# KiCad board Primero_esquematico.kicad_pcb (continued)
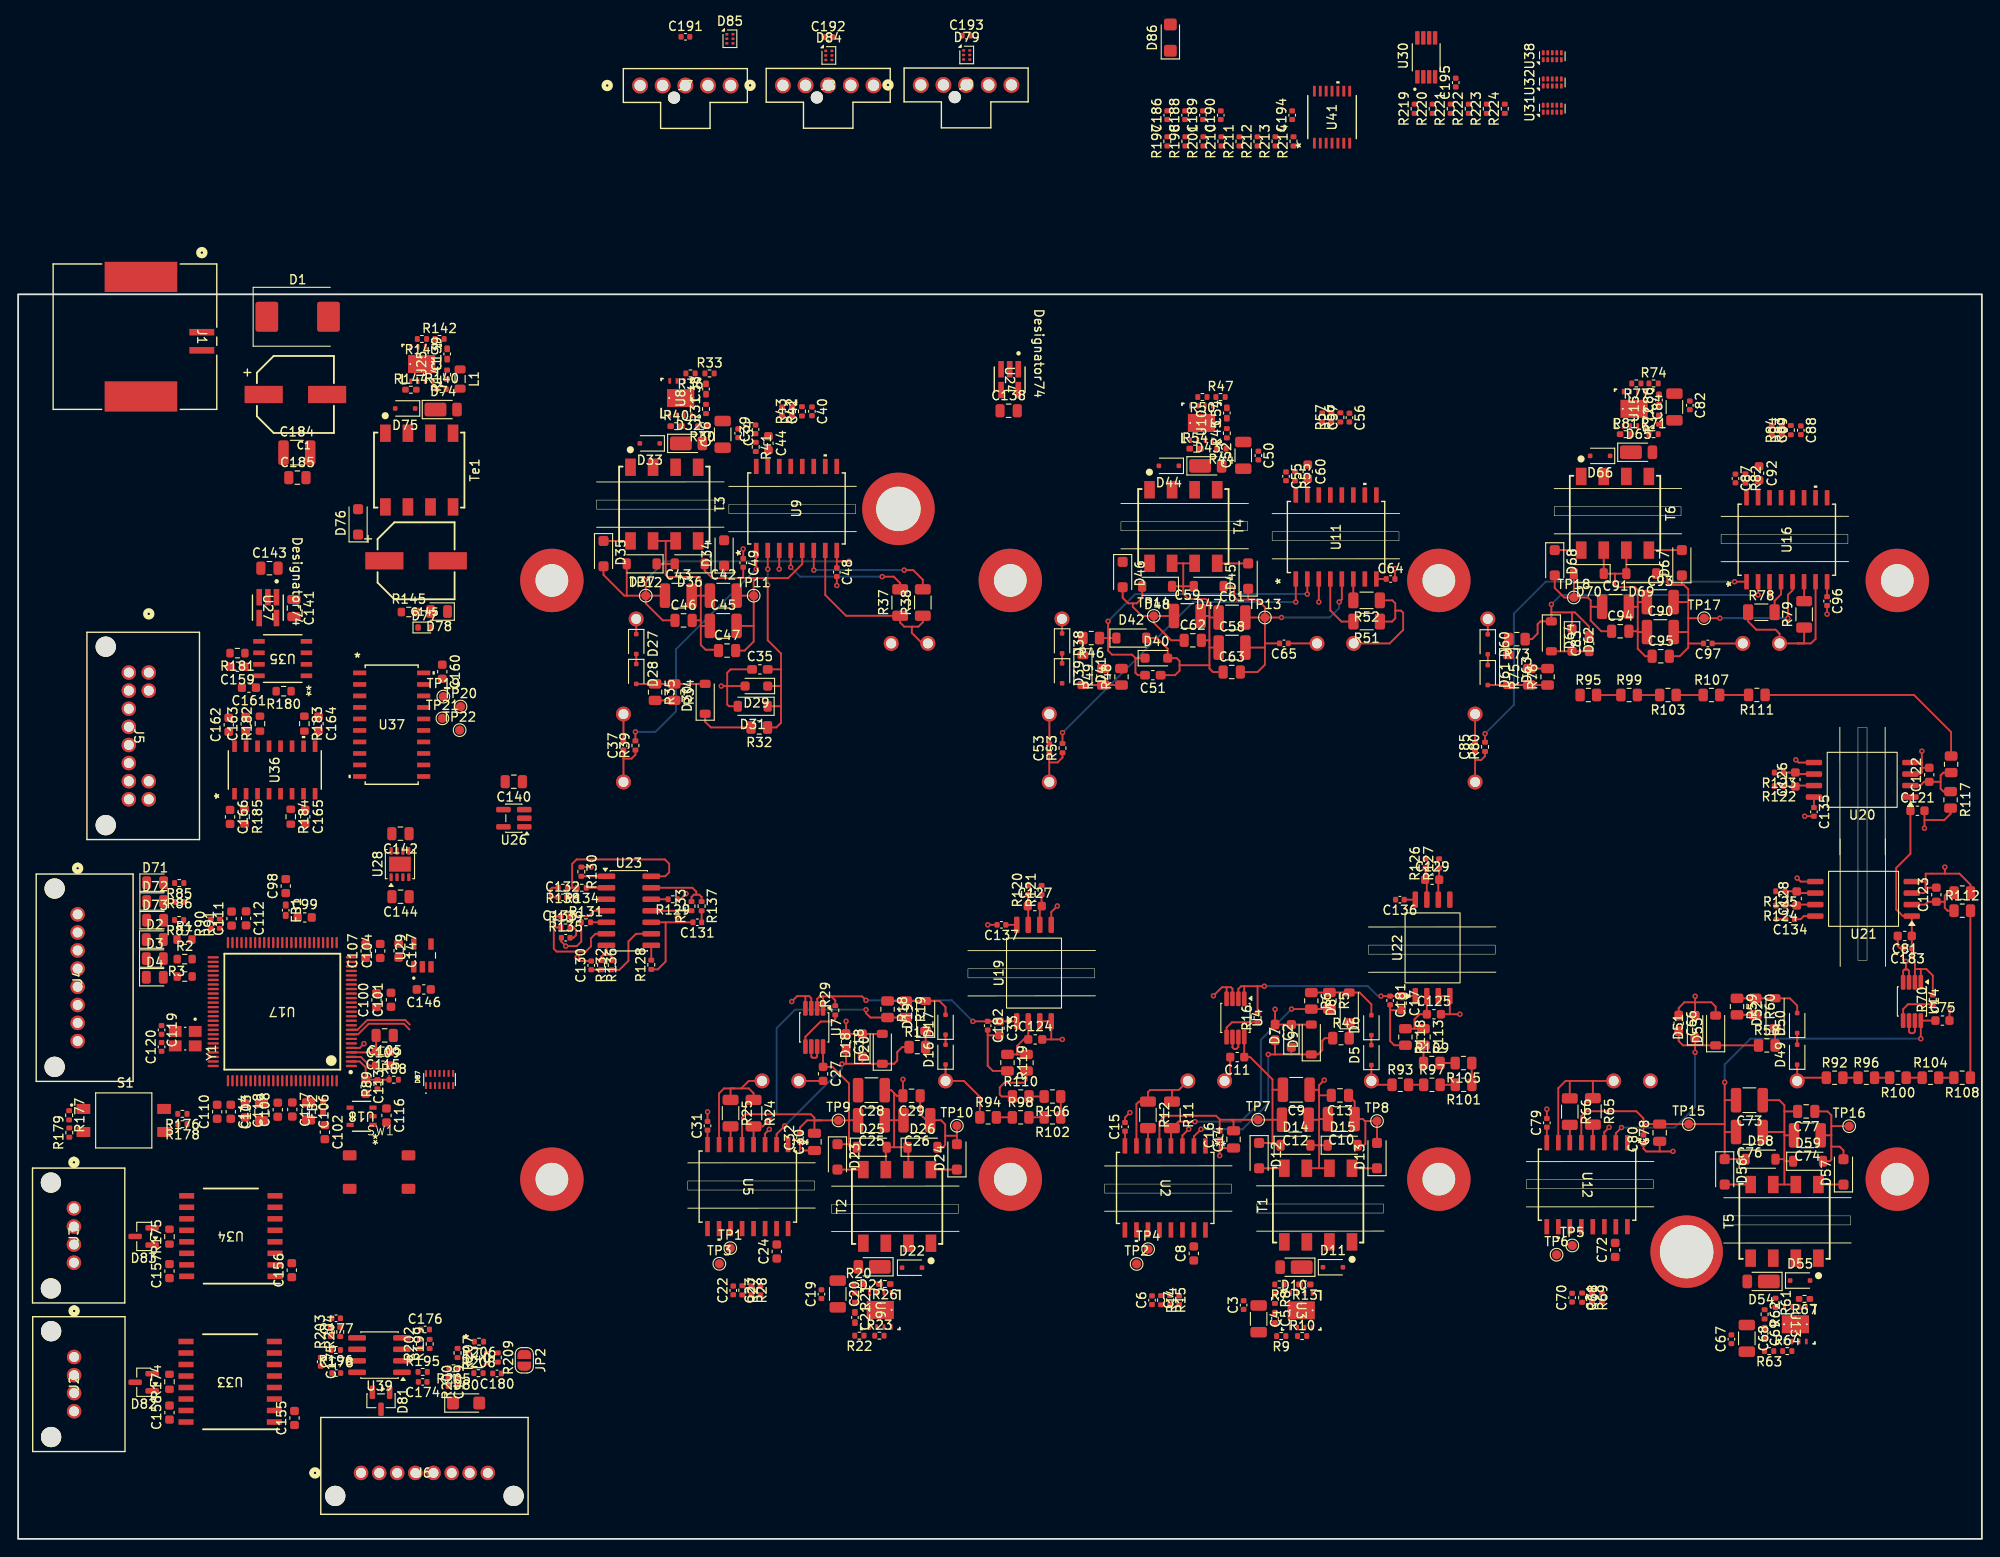
[diagram p0: board, top side]
## Routing (per net, layer and track width the routed paths; a pad name or vN(x,y) marks a point on that pad's centre or on a via; arc(x,y) is an arc through that point) (continued)
  Bottom w0.2: v1(145.82,103.43) 145.82,102.76 144.78,101.72 v1(139.45,101.72)
/pcb_potencia/Gate_Driver/GD_HS_2/-8V: length 16.4
  Top w0.2: D48.2 124.07,103.88 123.47,103.28 123.04,103.28 ; 123.04,103.28 122.54,103.28 121.92,103.9 D46.2 ; 123.04,103.28 123.04,102.89 124.04,101.89 TP14.1 ; TP14.1 127.58,101.89 ; TP14.1 125.35,101.14 127.29,99.2 C62.1 ; C64.1 U11.8
/pcb_potencia/Gate_Driver/GD_HS_3/+15V: length 29.8
  Top w0.2: TP11.1 81.19,106.07 81.2,106.07 ; TP11.1 79.31,104.13 ; TP11.1 81.19,100.79 ; 81.2,106.07 80.04,106.07 ; 81.2,106.07 85,106.07 86.55,107.63 U9.5 ; 81.19,100.79 C45.2 79.31,100.8 ; 81.19,100.79 81.19,99.07 80.2,98.07 C47.2 ; C49.2 80.04,106.07 ; 80.04,106.07 77.93,106.07 ; 77.93,106.07 76.62,106.07 75.78,106.91 D36.1 ; 77.93,106.07 D34.1
/pcb_potencia/Gate_Driver/GD_HS_3/-8V: length 45.3
  Top w0.2: D35.2 64.62,106.42 66.91,104.13 67.18,104.13 ; C48.1 90.36,107.21 90.36,107.92 ; 90.36,107.92 v1(91.71,107.92) ; 90.36,107.92 U9.8 ; D37.2 67.18,104.13 ; 67.18,104.13 TP12.1 ; TP12.1 v1(69.28,105.83) ; TP12.1 C43.1 ; TP12.1 69.28,103.28 71.16,101.4 C46.1
  Bottom w0.2: v1(69.28,105.83) 71.37,107.92 v1(91.71,107.92)
/pcb_potencia/Gate_Driver/GD_LS_1/+15V: length 62.9
  Top w0.2: 179.4,45.82 179.43,45.79 C78.2 TP15.1 188.37,45.79 ; 179.4,45.82 179.4,46.43 178.62,47.21 173.09,47.21 172.54,46.67 172.54,43.74 ; 179.4,45.82 C80.2 ; C73.2 188.37,48.43 ; 188.37,48.43 188.37,45.79 ; 188.37,48.43 v1(188.37,50.4) ; v1(210.02,55.22) 210.01,55.23 U14.8 210.01,57.22 C75.1 ; D58.1 D56.1 188.37,44.92 ; 188.37,44.92 188.37,45.79 ; 188.37,44.92 C76.2
  Bottom w0.2: v1(210.02,55.22) 191.21,55.22 188.37,52.38 v1(188.37,50.4)
/pcb_potencia/Gate_Driver/GD_LS_1/-8V: length 15.3
  Top w0.2: C77.1 199.72,47.19 200.14,46.77 200.14,45.56 ; U12.8 168.73,45.45 C79.1 ; 200.14,43.33 200.14,44.56 ; 200.14,43.33 200.14,41.86 199.97,41.69 D59.2 ; 200.14,43.33 200.17,43.3 201.07,43.3 201.48,42.89 D57.2 ; 200.14,44.56 200.13,44.55 C74.1 ; 200.14,44.56 200.14,45.56 ; TP16.1 200.14,45.56
/pcb_potencia/Gate_Driver/GD_LS_2/+15V: length 36.4
  Top w0.2: 138.46,46.27 138.46,49.58 ; 138.46,46.27 C12.2 ; 138.46,46.27 138.46,43.68 ; 138.46,46.27 TP7.1 133.9,46.27 ; 138.46,49.58 138.46,50.72 135.99,53.19 C11.1 U4.8 ; 138.46,49.58 C9.2 ; D14.1 138.68,43.46 138.46,43.68 ; C16.2 132.63,46.31 ; 132.63,46.31 132.67,46.27 133.9,46.27 ; 132.63,46.31 132.23,46.71 126.62,46.71 125.98,46.07 U2.5 ; 138.46,43.68 138.43,43.71 D12.1 ; 133.9,46.27 134.16,46.27 C14.2
/pcb_potencia/Gate_Driver/GD_LS_2/-8V: length 13
  Top w0.2: U2.8 122.18,43.39 C15.1 ; D13.2 149.99,46.13 TP8.1 148.65,46.13 ; 148.65,46.13 148.44,46.34 C10.1 147.52,48.29 C13.1 ; 148.65,46.13 148.71,46.07 148.71,43.61 148.55,43.46 D15.2
/pcb_potencia/Gate_Driver/GD_LS_3/+15V: length 36.1
  Top w0.2: C25.2 91.73,46.22 91.72,46.2 ; 86.31,44.78 C32.2 86.3,45.41 87.09,46.2 88.66,46.2 ; 91.72,43.57 91.72,46.2 ; 91.72,43.57 91.72,43.41 91.89,43.24 D25.1 ; 91.72,43.57 D23.1 ; 87.9,46.2 C30.2 ; 87.9,46.2 88.66,46.2 ; 87.9,46.2 87.9,46.48 87.51,46.87 80.27,46.87 79.91,46.51 U5.5 ; 91.72,46.2 91.72,50.28 89.89,52.11 C27.1 ; 91.72,46.2 TP9.1 88.66,46.2 ; U7.8 88.85,52.12
/pcb_potencia/Gate_Driver/GD_LS_3/-8V: length 13.4
  Top w0.2: 103.62,44.5 102.33,44.5 ; 103.62,44.5 TP10.1 ; 103.62,44.5 103.62,43.58 D24.2 ; 102.33,44.5 102.33,43.49 102.07,43.24 D26.2 ; 102.33,44.5 102.33,45.76 101.87,46.22 C26.1 100.24,46.22 99.57,46.89 C29.1 ; C31.1 U5.8
/pcb_potencia/Gate_Driver/VCC_DC: length 5
  Top w0.2: U1.C5 68.23,101.55 D27.1 ; D38.1 115.23,101.55 U1.C3 ; D60.1 U1.C1
GND: length 33
  Top w0.2: v1(196.22,86.01) 196.52,85.71 U20.5 ; v1(73.72,71.23) 73.1,70.61 R129.1 ; R131.1 62.16,65.93 61.67,65.44 v1(60.45,65.44) 59.96,65.93 C133.2 ; v1(196.37,72.95) 196.75,72.57 U21.5 ; R128.1 70.61,62.87 71.47,63.73 71.47,68.07 ; R130.1 v1(63.25,74.17) ; C132.2 v1(61.66,70.82) ; U19.5 114.04,69.2 v1(114.71,69.87) ; 71.47,68.07 U23.10 ; 71.47,68.07 72.77,68.07 ; 72.77,68.07 v1(72.77,68.63) ; 72.77,68.07 C131.2 ; C130.2 62.1,63.79 v1(61.7,64.19) ; C134.2 v1(194.06,68.41) ; U17.5 37.71,54.2 v1(38.18,54.67) ; C137.2 v1(107.03,67.79) ; C135.2 v1(197.2,79.78)
GNDPWR_1: length 71.4
  Top w0.2: C79.2 v1(168.74,47.44) ; T5.7 194.96,39.12 ; 194.96,39.12 T5.6 ; 194.96,39.12 194.96,41.69 ; C121.2 210.42,79.36 ; 210.42,79.36 212.61,79.36 213.3,80.05 R117.2 ; 210.42,79.36 v1(210.42,78.45) ; 194.96,47.19 194.96,47.87 194.4,48.43 C73.1 ; 194.96,47.19 C77.2 ; 194.96,47.19 194.96,44.93 ; 175.08,43.74 175.08,44.91 v1(175.61,45.43) ; C81.2 207.47,65.44 207.7,65.21 C183.2 208.06,64.06 v1(208.37,63.75) 208.37,62.86 ; 210.13,85.7 210.12,85.71 U20.4 ; 210.13,85.7 210.13,85.13 ; 210.13,85.7 v1(210.13,86.96) ; C123.2 210.55,71.89 210.55,72.12 ; C76.1 194.95,44.92 194.96,44.93 ; 212.67,73.44 214.28,73.44 215.5,72.22 R116.2 ; 212.67,73.44 v1(212.67,74.16) ; 212.67,73.44 210.55,73.44 210.55,72.41 ; 210.13,85.13 210.13,84.62 209.94,84.44 U20.3 ; 210.13,85.13 C122.2 ; C78.1 181.19,42.77 ; 181.19,42.77 182.65,42.77 v1(182.66,42.78) ; 181.19,42.77 179.72,42.77 179.4,43.09 C80.1 ; 194.96,44.93 194.96,44.55 ; 185.11,59.24 v1(185.11,59.9) ; 185.11,59.24 183.92,59.24 183.29,58.61 C66.1 ; 185.11,59.24 185.1,59.23 D51.2 ; 185.11,59.24 186.9,59.24 187.37,58.77 D53.2 ; U14.3 208.71,62.72 208.57,62.86 208.37,62.86 ; 210.55,72.12 210.55,72.41 ; 210.55,72.12 210.55,71.5 210.34,71.3 U21.3 ; 194.96,41.69 194.96,41.92 ; 194.96,41.69 D59.1 ; 194.96,41.92 D58.2 ; 194.96,41.92 194.96,44.55 ; 210.55,72.41 210.55,72.57 U21.4 ; 208.37,62.86 208.21,62.86 208.06,62.72 U14.4 ; C74.2 194.96,44.55 ; C75.2 v1(213.18,58.61)
GNDPWR_2: length 52
  Top w0.2: 143.6,46.34 143.6,48.95 ; 143.6,46.34 143.6,43.46 ; 143.6,46.34 143.53,46.27 C12.1 ; 143.6,46.34 C10.2 ; 143.6,48.95 143.6,49.32 ; 143.6,48.95 143.61,48.96 C13.2 ; 143.6,43.46 143.59,43.46 142.64,43.46 ; 143.6,43.46 143.6,40.92 ; 143.6,43.46 143.6,43.46 D15.1 ; U4.3 134.04,60.74 133.88,60.9 133.4,60.9 ; C11.2 133.79,51.18 U1.E4 ; 143.6,49.32 143.6,50.08 v1(144.17,50.65) ; 143.6,49.32 143.6,49.58 142.55,49.58 ; 143.6,40.92 T1.7 ; 143.6,40.92 T1.6 ; 158.03,57.92 C125.2 ; 158.03,57.92 v1(159.14,57.92) ; 158.03,57.92 U22.4 U22.3 ; U4.4 133.39,60.89 133.4,60.9 ; 133.4,60.9 132.88,60.9 v1(131.94,59.96) ; C14.1 132.63,43.15 ; 132.63,43.15 C16.1 ; 132.63,43.15 v1(132.63,42.31) ; 151.44,58.37 C181.2 ; 151.44,58.37 C17.2 ; 151.44,58.37 151.44,54.96 151.9,54.5 R118.2 ; v1(122.72,47.06) 122.18,46.52 C15.2 ; v1(138.74,58.47) C2.1 D7.2 D9.2 ; U2.3 128.52,44.54 v1(129.21,45.23)
GNDPWR_3: length 51
  Top w0.2: 96.69,43.24 96.68,43.24 D25.2 95.78,43.14 T2.6 ; 96.69,43.24 96.69,43.24 98.17,43.24 98.27,43.14 T2.7 ; 96.69,43.24 96.69,46.22 ; C124.2 114.04,55.14 ; 114.04,55.14 U19.4 U19.3 ; 114.04,55.14 115.25,55.14 v1(115.26,55.14) ; 91.39,55.75 D18.2 D20.2 ; C182.2 107.02,55.59 ; 107.02,55.59 C33.2 ; 107.02,55.59 107.02,52.23 107.58,51.66 R119.2 ; C28.1 96.37,49.54 96.69,49.22 ; C18.1 v1(91.39,57.14) ; v1(85.39,59.32) 85.99,59.92 86.9,59.92 ; U7.4 86.9,59.92 ; 86.9,59.92 87.31,59.92 87.55,59.68 U7.3 ; C32.1 86.3,43.05 v1(86.47,42.88) C30.1 ; U5.3 82.45,44.74 v1(82.92,45.21) ; 96.69,46.22 95.66,46.22 C25.1 ; 96.69,46.22 96.69,49.22 ; 96.69,46.22 C26.2 ; 96.69,49.22 96.99,48.92 C29.2 v1(97.67,50.73) ; C31.2 76.1,47.14 v1(76.1,47.14) ; 93.77,55.76 93.77,55.76 ; C27.2 U1.E6
/pcb_logica/acelerador_1: length 7.1
  Top w0.2: U17.9 37.46,56.2 38.53,57.27 42.74,57.27 43.23,56.78
/pcb_logica/acelerador_2: length 7.2
  Top w0.2: 43.2,56.24 42.57,56.87 38.7,56.87 37.53,55.7 U17.8
/pcb_logica/Mcu_reset: length 5.8
  Top w0.2: 40.94,50.7 R89.2 38.36,50.7 ; 38.36,50.88 38.36,50.88 ; 40.94,51.11 40.95,51.1 ; C113.1 38.36,52.07 37.72,52.7 U17.2
/pcb_logica/Tension_A: length 2.6
  Top w0.2: C132.1 58.93,70.82 58.73,71.02 58.73,71.68 58.93,71.88 R138.2
/pcb_logica/Tension_B: length 2.2
  Top w0.2: R139.2 61.34,67.5 61.6,67.24 61.6,66.66 61.3,66.37 C133.1
/pcb_logica/Tension_C: length 1.1
  Top w0.2: R136.2 C130.1
/pcb_logica/Tension_DC: length 1.3
  Top w0.2: 75.44,69.34 R137.2 75.45,69.33 C131.1 ; 75.45,68.24 75.44,68.25
/pcb_potencia/Gate_Driver/GD_HS_1/DESAT: length 38.5
  Top w0.2: 171.52,102.28 169.24,102.28 ; 171.52,102.28 171.84,102.28 173.41,100.71 173.41,99.72 ; 171.52,102.28 D62.1 ; 169.24,102.28 v1(169.24,103.17) ; 169.24,102.28 D64.1 168.02,101.29 167.72,100.99 167.72,99.95 167.1,99.33 R73.1 ; U16.2 v1(192.05,104.2)
  Bottom w0.2: v1(169.24,103.17) 170.27,104.2 v1(192.05,104.2)
/pcb_potencia/Gate_Driver/GD_HS_1/Gate: length 19.1
  Top w0.2: 196.42,98.86 U1.G1 194.42,99.94 193.99,100.37 191.86,100.37 190.95,101.28 R78.1 ; 196.42,98.86 197.14,98.86 R79.1 ; 196.42,98.86 197.89,98.86 198.4,99.37 U16.7
/pcb_potencia/Gate_Driver/GD_HS_1/S_HV: length 5.2
  Top w0.2: U1.T1 160.82,85.99 ; 160.82,85.99 C85.1 ; 160.82,85.99 161.5,85.99 161.92,86.41 R80.1
/pcb_potencia/Gate_Driver/GD_HS_2/DESAT: length 37.2
  Top w0.2: 123.33,97.23 123.33,95.61 123.59,95.35 C51.2 ; 123.33,97.23 123.33,97.24 122.95,97.62 120.75,97.62 120.31,98.06 120.31,99.45 ; 123.33,97.23 D40.1 ; U11.2 v1(142.3,104.3) ; v1(120.31,101.3) 120.31,99.45 ; 120.31,99.45 R46.1 ; 120.31,99.45 D42.1
  Bottom w0.2: v1(142.3,104.3) 123.31,104.3 v1(120.31,101.3)
/pcb_potencia/Gate_Driver/GD_HS_2/Gate: length 14.3
  Top w0.2: 152.01,102.48 152.01,103.28 151.68,103.61 R52.1 ; 152.01,102.48 152.01,101.63 151.65,101.27 R51.1 ; 152.01,102.48 152.64,102.48 152.88,102.24 152.88,100.35 151.39,98.86 U1.G3
/pcb_potencia/Gate_Driver/GD_HS_2/S_HV: length 5.4
  Top w0.2: R53.1 115.28,86.26 114.74,85.72 113.82,85.72 ; C53.1 113.82,86.78 113.82,85.72 ; 113.82,85.72 U1.T3
/pcb_potencia/Gate_Driver/GD_HS_3/DESAT: length 25.8
  Top w0.2: R32.1 83.69,89.58 84.21,90.1 84.21,91.92 ; 82.72,91.91 D31.1 84.21,91.92 ; D29.1 84.2,94.15 84.21,94.16 ; 84.21,94.16 84.21,95.99 ; 84.21,94.16 84.21,91.92 ; U9.2 82.74,107.07 v1(82.75,107.06) ; C35.2 84.21,95.99 ; 84.21,95.99 84.21,97.74 82.74,99.21 v1(82.74,105.29)
  Bottom w0.2: v1(82.74,105.29) 82.74,107.05 v1(82.75,107.06)
/pcb_potencia/Gate_Driver/GD_HS_3/Gate: length 21.4
  Top w0.2: 98.69,100.71 99.38,100.71 99.86,101.19 R38.1 ; 98.69,100.71 97.81,100.71 97.36,101.16 R37.1 91.39,101.91 89.09,104.21 89.09,109.13 ; 98.69,100.71 98.65,100.67 98.65,100.01 99.8,98.86 U1.G5
/pcb_potencia/Gate_Driver/GD_HS_3/S_HV: length 5.5
  Top w0.2: 66.82,86.14 C37.1 ; 66.82,86.14 U1.T5 ; 66.82,86.14 67.71,86.14 68.14,86.57 R39.1
/pcb_potencia/Gate_Driver/GD_LS_1/DESAT: length 28.7
  Top w0.2: v1(185.1,53.71) 185.1,54.48 ; 185.1,54.48 183.77,54.48 183.29,54.96 C66.2 ; 185.1,54.48 D51.1 ; 185.1,54.48 D53.1 R58.1 ; v1(176.98,45.41) 176.35,44.79 U12.2
  Bottom w0.2: v1(176.98,45.41) 182.85,45.41 185.1,47.66 v1(185.1,53.71)
/pcb_potencia/Gate_Driver/GD_LS_1/Gate: length 16.3
  Top w0.2: 173.82,50.56 U1.G2 ; 173.82,50.56 171.27,50.56 ; 173.82,50.56 R65.1 ; 171.27,50.56 R66.1 ; 171.27,50.56 170.81,50.56 170,49.76 U12.7
/pcb_potencia/Gate_Driver/GD_LS_2/DESAT: length 27
  Top w0.2: R4.1 144.25,55.28 143.96,54.99 143.96,53.97 143.47,53.48 D9.1 140.54,53.48 ; 140.54,53.48 D7.1 ; 140.54,53.48 138.74,53.48 ; 138.74,53.48 C2.2 ; 138.74,53.48 v1(137.99,53.48) ; U2.2 129.79,44.44 v1(130.57,45.22)
  Bottom w0.2: v1(137.99,53.48) 137.99,48.06 135.15,45.22 v1(130.57,45.22)
/pcb_potencia/Gate_Driver/GD_LS_2/Gate: length 13.3
  Top w0.2: U2.7 123.44,48 123.71,48.28 R12.1 124.71,49.31 124.96,49.56 127.36,49.56 ; 127.36,49.56 128.12,49.56 U1.G4 ; 127.36,49.56 R11.1
/pcb_potencia/Gate_Driver/GD_LS_3/DESAT: length 23
  Top w0.2: D18.1 93.19,52.45 ; 93.19,52.45 D20.1 96.69,52.45 97.04,52.8 97.04,53.75 97.58,54.29 R17.1 ; 93.19,52.45 91.39,52.45 ; U5.2 83.72,44.69 v1(84.61,45.58) ; v1(90.94,52.43) 90.96,52.45 91.39,52.45 ; C18.2 91.39,52.45
  Bottom w0.2: v1(90.94,52.43) 90.94,51.91 v1(84.61,45.58)
/pcb_potencia/Gate_Driver/GD_LS_3/Gate: length 15
  Top w0.2: U1.G6 80.65,50.56 79.82,49.73 ; R24.1 81.18,49.2 80.65,49.73 79.82,49.73 ; 79.82,49.73 79.08,49.73 ; 79.08,49.73 78.64,49.73 R25.1 ; 79.08,49.73 77.92,49.73 77.37,49.18 U5.7
/pcb_potencia/Gate_Driver/ISO_GND_HS_1: length 37.2
  Top w0.2: C94.2 178.77,100.2 ; 178.77,100.2 178.77,100.09 ; 178.77,100.2 178.77,102.9 ; T6.7 D70.1 176.26,106.56 ; 178.77,103.42 178.77,102.9 ; 178.77,103.42 178.77,104.74 178.44,105.07 176.57,105.07 176.26,105.38 176.26,106.56 ; 178.77,103.42 C93.1 ; 178.77,102.9 C91.2 ; C83.1 D62.2 D64.2 ; 178.77,100.09 178.79,100.11 C90.1 ; 178.77,100.09 178.77,98.27 179.6,97.44 C95.1 ; 176.26,106.56 D69.2 T6.6 ; C97.1 190.36,98.85 U1.E1 ; U16.3 v1(193.32,104.21) ; C85.2 U1.T2 ; C96.2 v1(199.67,102.09)
/pcb_potencia/Gate_Driver/ISO_GND_HS_2: length 46.5
  Top w0.2: 128.2,96.45 128.2,96.92 127.89,97.23 D40.2 126.89,98.27 125.71,99.45 D42.2 ; 128.2,96.45 131.5,96.45 ; 128.2,96.45 128.2,95.85 127.7,95.35 C51.1 ; 128.61,105.16 128.61,104.35 129.21,103.75 131.13,103.75 131.5,103.38 131.5,101.89 ; 128.61,105.16 D48.1 ; 128.61,105.16 128.61,107.7 ; 128.61,105.16 D47.2 ; C65.1 U1.E3 ; 131.5,96.45 131.5,96.09 131.89,95.7 C63.1 ; 131.5,96.45 131.5,98.4 ; U1.T4 113.83,91.05 C53.2 ; 131.5,99.2 131.5,101.72 ; 131.5,99.2 131.5,98.4 ; 131.5,99.2 C62.2 ; 131.5,101.72 131.5,101.89 ; 131.5,101.72 C61.1 ; 131.5,101.89 C59.2 ; T4.7 128.61,107.7 ; 128.61,107.7 129.86,107.7 ; 131.5,98.4 C58.1 ; C64.2 v1(151.97,107.12) ; U11.3 v1(143.57,103.43)
/pcb_potencia/Gate_Driver/ISO_GND_HS_3: length 43.1
  Top w0.2: C37.2 U1.T6 ; v1(84.01,107.06) 84.01,107.07 U9.3 ; 78.27,94.15 78.27,95.62 78.64,95.99 C35.1 ; 78.27,94.15 v1(77.62,94.15) ; 78.27,94.15 78.27,92.11 78.46,91.92 D31.2 ; 78.27,94.15 D29.2 ; 75.35,104.13 C43.2 ; 75.35,104.13 C42.1 ; 75.35,104.13 75.35,105.87 75.03,106.19 71.72,106.19 71.48,106.43 71.48,107.64 ; 75.35,104.13 75.35,101.4 ; 75.35,100.79 75.35,101.4 ; 75.35,100.79 75.35,98.69 75.88,98.16 77.3,98.16 ; 75.35,100.79 C45.1 ; C49.1 v1(80.04,109.29) ; 71.48,110.18 T3.6 ; 71.48,110.18 71.48,107.64 ; 71.48,110.18 T3.7 ; 74.4,101.4 75.35,101.4 ; 71.48,107.64 D37.1 ; 71.48,107.64 D36.2 ; C48.2 v1(90.37,105.25)
/pcb_potencia/Gate_Driver/MP_1: length 5.2
  Top w0.2: D49.1 U1.C2 196.72,50.91 R92.1
/pcb_potencia/Gate_Driver/MP_2: length 4.2
  Top w0.2: D5.1 U1.C4 149.8,50.13 R93.1
/pcb_potencia/Gate_Driver/MP_3: length 8.6
  Top w0.2: R94.1 106.15,48.79 104.39,50.56 U1.C6 D16.1
Net-(C103-Pad2): length 4.5
  Top w0.2: C105.2 39.51,53.81 C115.2 39.41,53.7 U17.4
Net-(D5-A): length 1.1
  Top w0.2: D5.2 D6.1
Net-(D6-A): length 8.4
  Top w0.2: D6.2 149.37,59.02 148.07,60.32 D8.2 R5.1 144.73,60.31 R6.1
Net-(D8-K): length 1.7
  Top w0.2: D8.1 R4.2
Net-(D12-A): length 2.8
  Top w0.2: D12.2 139.75,40.91 T1.5
Net-(D13-K): length 2.8
  Top w0.2: D13.1 147.24,40.91 T1.8
Net-(D16-A): length 1.1
  Top w0.2: D16.2 D17.1
Net-(D17-A): length 7.5
  Top w0.2: R18.1 R19.1 D19.2 101.7,59.38 102.37,58.71 D17.2
Net-(D19-K): length 1.8
  Top w0.2: D19.1 R17.2
Net-(D23-A): length 2.9
  Top w0.2: T2.5 90.44,40.77 D23.2
Net-(D24-K): length 2.9
  Top w0.2: D24.1 100.76,40.77 T2.8
Net-(D27-A): length 1.1
  Top w0.2: D28.1 D27.2
Net-(D28-A): length 7.6
  Top w0.2: D28.2 70.3,94.39 R35.1 R34.1 D30.2
Net-(D30-K): length 6.2
  Top w0.2: R32.2 76.47,89.58 75.84,90.21 D30.1
Net-(D35-K): length 3
  Top w0.2: T3.8 64.62,110.18 D35.1
Net-(D38-A): length 1.1
  Top w0.2: D38.2 D39.1
Net-(D39-A): length 4.3
  Top w0.2: R48.1 R49.1 D41.2
Net-(D41-K): length 1.9
  Top w0.2: R46.2 117.53,99.44 D41.1
Net-(D45-A): length 3.4
  Top w0.2: D45.2 132.36,107.69 T4.5
Net-(D49-A): length 1.3
  Top w0.2: D49.2 D50.1
Net-(D50-A): length 7.8
  Top w0.2: R59.1 R60.1 D52.2 195.56,59.68 196.37,58.87 D50.2
Net-(D52-K): length 1.9
  Top w0.2: D52.1 R58.2
Net-(D56-A): length 2.9
  Top w0.2: T5.5 D56.2
Net-(D57-K): length 2.8
  Top w0.2: T5.8 201.47,39.12 D57.1
Net-(D60-A): length 1.2
  Top w0.2: D60.2 D61.1
Net-(D61-A): length 6.6
  Top w0.2: R76.1 R75.1 D63.2 D61.2
Net-(D63-K): length 1.8
  Top w0.2: D63.1 R73.2
Net-(D67-A): length 3.6
  Top w0.2: D67.2 T6.5
Net-(D68-K): length 2.9
  Top w0.2: T6.8 D68.1
Net-(R92-Pad2): length 1.7
  Top w0.2: R92.2 R96.1
Net-(R93-Pad2): length 1.7
  Top w0.2: R97.1 R93.2
Net-(R94-Pad2): length 1.8
  Top w0.2: 109.74,46.54 R94.2
Net-(R95-Pad2): length 2.7
  Top w0.2: R95.2 R99.1
Net-(R100-Pad1): length 1.8
  Top w0.2: R100.1 R104.1
Net-(R100-Pad2): length 1.7
  Top w0.2: R96.2 R100.2
Net-(R101-Pad1): length 2.4
  Top w0.2: R105.1 160.45,50.15 R101.1
Net-(R101-Pad2): length 1.7
  Top w0.2: R101.2 R97.2
Net-(R102-Pad1): length 2.3
  Top w0.2: R106.1 R102.1
Net-(R102-Pad2): length 1.7
  Top w0.2: R102.2 R98.2
Net-(R103-Pad1): length 3
  Top w0.2: R107.1 R103.1
Net-(R103-Pad2): length 2.5
  Top w0.2: R103.2 R99.2
Net-(R104-Pad2): length 1.7
  Top w0.2: R104.2 R108.2
Net-(R105-Pad2): length 1.7
  Top w0.2: R105.2 R109.2
Net-(R106-Pad2): length 1.7
  Top w0.2: R110.2 R106.2
Net-(R107-Pad2): length 3.2
  Top w0.2: R107.2 187.83,93.17 R111.2
Net-(R108-Pad1): length 18.4
  Top w0.2: R108.1 215.49,69.34 R112.2
Net-(R109-Pad1): length 2
  Top w0.2: R113.2 155.12,52.54 R109.1
Net-(R110-Pad1): length 6.6
  Top w0.2: R114.2 111.3,50.64 111.03,50.36 108.87,50.36 108.35,49.84 108.35,49.06 108.57,48.84 R110.1
Net-(R111-Pad1): length 24.9
  Top w0.2: R115.2 213.36,89.07 209.26,93.17 R111.1
Net-(R132-Pad2): length 3.2
  Top w0.2: U23.7 64.94,64.48 ; 64.94,64.48 64.59,64.48 64.35,64.24 R136.1 ; 64.94,64.48 65.3,64.48 65.53,64.25 R132.2
Net-(R133-Pad2): length 7.8
  Top w0.2: 74.86,71.12 74.86,71.45 74.43,71.88 U23.13 ; 74.86,71.12 75.19,71.12 75.44,70.87 R137.1 ; 74.86,71.12 74.59,71.12 74.33,70.86 R133.2
Net-(R134-Pad2): length 17.9
  Top w0.2: U23.14 71.43,73.15 71.87,73.59 71.87,74.53 71.39,75.01 61.65,75.01 61.16,74.52 61.16,71.88 ; 61.16,71.88 R134.2 ; 61.16,71.88 R138.1
Net-(R135-Pad2): length 12.2
  Top w0.2: R135.2 59.49,68.74 59.13,68.38 59.13,67.5 ; 59.13,67.5 R139.1 ; 59.13,67.5 59.13,65.15 59.44,64.84 62.67,64.84 63.23,65.4 63.23,66.3 63.73,66.8 U23.6
Net-(U2-OUTH): length 28.8
  Top w0.2: R5.2 142.74,58.5 R6.2 140.56,58.49 v1(140.56,58.49) ; U2.4 127.25,45.24 R11.2 128.07,46.06 v1(129.9,46.06)
  Bottom w0.2: v1(140.56,58.49) 137.17,55.1 137.17,48.28 134.95,46.06 v1(129.9,46.06)
Net-(U2-OUTL): length 2
  Top w0.2: U2.6 R12.2
Net-(U4-FEEDBACK): length 3
  Top w0.2: U4.7 134.69,54.3 134.48,54.09 134.22,54.09 134.04,54.27 U4.6
Net-(U4-~{ERROR}): length 4.7
  Top w0.2: R16.1 133.98,57.03 133.39,56.44 U4.5
Net-(U5-OUTH): length 30.2
  Top w0.2: v1(93.59,58.42) 93.59,58.04 94.07,57.56 R18.2 R19.2 ; U5.4 R24.2 82.18,45.54 v1(82.89,46.24)
  Bottom w0.2: v1(82.89,46.24) 83.73,47.08 83.73,56.39 85.76,58.42 v1(93.59,58.42)
Net-(U5-OUTL): length 2
  Top w0.2: U5.6 R25.2
Net-(U7-FEEDBACK): length 3
  Top w0.2: U7.6 87.55,53.24 87.68,53.11 88.05,53.11 88.2,53.26 U7.7
Net-(U7-~{ERROR}): length 5.6
  Top w0.2: U7.5 86.9,55.43 88.59,57.12 89.91,57.12 90.2,57.41 R29.1
Net-(U9-AIN): length 27.9
  Top w0.2: v1(68.14,89.1) R39.2 ; U9.1 81.47,107.08 v1(81.48,107.07)
  Bottom w0.2: v1(81.48,107.07) 72.63,98.22 72.63,91.37 70.36,89.1 v1(68.14,89.1)
Net-(U9-OUTH): length 17.4
  Top w0.2: R37.2 97.36,105.52 96.65,106.23 v1(95.38,106.23) ; v1(85.28,107.27) 85.28,109.12 U9.4 ; 70.31,92.57 72.41,92.57
  Bottom w0.2: v1(95.38,106.23) 86.32,106.23 v1(85.28,107.27)
Net-(U9-OUTL): length 15.7
  Top w0.2: v1(97.8,106.95) 98.8,106.95 99.86,105.89 R38.2 ; v1(87.82,106.95) U9.6
  Bottom w0.2: v1(97.8,106.95) v1(87.82,106.95)
Net-(U11-AIN): length 35.5
  Top w0.2: v1(115.28,89.01) R53.2 ; U11.1 v1(141.03,103.43)
  Bottom w0.2: v1(115.28,89.01) 129.7,103.43 v1(141.03,103.43)
Net-(U11-OUTH): length 6.5
  Top w0.2: R51.2 146.07,101.27 144.84,102.5 U11.4
Net-(U11-OUTL): length 2.4
  Top w0.2: U11.6 R52.2
Net-(U12-OUTH): length 4
  Top w0.2: U12.4 173.81,45.73 R65.2 ; R60.2 R59.2
Net-(U12-OUTL): length 2
  Top w0.2: R66.2 171.27,45.71 U12.6
Net-(U14-FEEDBACK): length 3.2
  Top w0.2: U14.6 208.71,56 208.88,55.83 209.19,55.83 209.36,56.01 U14.7
Net-(U14-~{ERROR}): length 4.8
  Top w0.2: U14.5 208.06,58.48 208.61,59.02 R70.1
Net-(U16-AIN): length 42.7
  Top w0.2: R80.2 v1(161.92,88.89) ; U16.1 189.46,105.67 v1(189.46,105.67)
  Bottom w0.2: v1(189.46,105.67) 168.62,105.67 165.09,102.14 165.09,92.06 v1(161.92,88.89)
Net-(U16-OUTH): length 5.7
  Top w0.2: R78.2 193.88,103.57 194.59,104.28 U16.4 ; R76.2 R75.2
Net-(U16-OUTL): length 2.1
  Top w0.2: U16.6 197.14,105.66 R79.2
Net-(U17E-VDDIO_SW): length 3.1
  Top w0.2: U17.3 37.83,53.2 38.8,52.24 C109.1
Net-(U19-VINP): length 6.6
  Top w0.2: 110.25,53.48 110.25,54.4 110.98,55.14 111.49,55.14 111.49,57.13 U19.2 ; 110.25,53.48 R114.1 ; 110.25,53.48 109.21,53.48 R119.1
Net-(U19-VOUTN): length 3.4
  Top w0.2: U19.6 112.77,69.63 C127.2 112.97,69.88 R121.1
Net-(U19-VOUTP): length 3.4
  Top w0.2: R120.1 111.47,69.88 C127.1 111.5,69.8 U19.7
Net-(U20-VINP): length 7.5
  Top w0.2: R117.1 213.29,82.51 212.51,82.51 212.2,82.82 212.2,83.58 ; 212.2,83.58 212.2,84.29 212.5,84.59 213.35,84.59 R115.1 ; 212.2,83.58 C122.1 210.38,83.58 209.96,83.17 U20.2
Net-(U20-VOUTN): length 3.4
  Top w0.2: R123.1 196.16,84.6 C126.2 196.34,84.44 U20.6
Net-(U20-VOUTP): length 3.4
  Top w0.2: R122.1 196.13,83.1 C126.1 196.27,83.17 U20.7
Net-(U21-VINP): length 7.4
  Top w0.2: U21.2 210.49,70.03 210.81,70.34 C123.1 212.66,70.34 ; 212.66,70.34 212.66,71.01 213,71.35 R116.1 ; 212.66,70.34 212.66,69.66 212.97,69.35 R112.1
Net-(U21-VOUTN): length 3.4
  Top w0.2: U21.6 196.55,71.3 196.38,71.47 C128.2 196.29,71.5 R125.1
Net-(U21-VOUTP): length 3.4
  Top w0.2: U21.7 196.42,70.03 C128.1 R124.1
Net-(U22-VINP): length 6.6
  Top w0.2: R113.1 154.13,56.32 ; 154.13,56.32 154.13,57.36 154.69,57.92 C125.1 155.49,57.93 U22.2 ; 154.13,56.32 R118.1
Net-(U22-VOUTN): length 3.5
  Top w0.2: U22.6 156.76,72.67 C129.2 156.85,72.78 R127.1
Net-(U22-VOUTP): length 3.6
  Top w0.2: R126.1 155.35,72.82 C129.1 155.49,72.59 U22.7
Net-(U23A-+): length 2.2
  Top w0.2: U23.2 R134.1
Net-(U23A--): length 2.8
  Top w0.2: U23.1 R130.2
Net-(U23B-+): length 4.5
  Top w0.2: U23.4 63.57,69.34 62.97,68.74 R135.1 61.21,68.74
Net-(U23B--): length 1.8
  Top w0.2: U23.5 R131.2
Net-(U23C-+): length 7.3
  Top w0.2: R132.1 66.37,62.82 67.37,63.82 67.37,65.96 68.21,66.8 U23.9
Net-(U23C--): length 1.6
  Top w0.2: R128.2 U23.8
Net-(U23D-+): length 4.4
  Top w0.2: R133.1 U23.11
Net-(U23D--): length 1.9
  Top w0.2: R129.2 U23.12

## Copper pours and planes (outline as drawn; the poured copper is in the pictures)
+3.3V_analog on In3.Cu: 69.91,79.56 73.71,79.66 80.51,80.36 86.31,82.16 89.21,86.46 93.01,90.66 103.71,93.16 107.54,94.08 108.91,92.36 109.01,84.16 110.21,79.56 114.91,79.56 122.11,82.76 131.81,89.66 147.71,90.16 154.31,89.06 154.91,85.16 156.01,80.46 161.41,78.76 165.11,81.86 168.62,88.26 203.01,88.66 202.11,64.36 194.21,64.96 165.21,64.96 134.21,66.76 125.51,63.36 122.51,61.16 111.51,61.06 84.81,63.66 72.72,50.56 71.91,56.07 70.91,67.36 70.51,73.26
+3.3V_analog on In3.Cu: 35.2,53.4 50.7,53.5 51,80.9 42.4,80.8 42.3,76.9 35.6,76.7
+5V_Can_1 on In3.Cu: 20.71,24.46 20.71,9.86 14.21,9.16 -2.89,9.26 -2.99,24.46
+5V_Can_2 on In3.Cu: -3.29,38.87 21.81,39.28 21.71,27.57 -3.09,27.77
+5V_digital on In3.Cu: 0.32,102.86 35.02,102.46 35.02,99.66 34.29,75.66 -1.86,75.15
+12V on In3.Cu: 0.22,111.96 31.42,112.66 36.22,114.96 36.22,115.01 50.82,114.96 50.72,85.46 55.26,85.51 55.76,40.46 55.02,2.46 227.62,1.26 227.62,34.06 189.42,34.76 180.32,38.66 161.22,38.06 143.49,36.29 129.32,38.46 113.42,38.58 94.92,36.76 81.22,38.58 72.29,38.71 70,78.68 62.42,89.16 59.02,111.16 60.32,114.86 92.02,114.81 121.12,112.86 143.02,112.36 163.42,111.66 176.26,113.79 189.82,110.56 223.82,110.46 225.32,144.26 0.32,145.06
/pcb_logica/LogicSupply/5V_FB on In3.Cu: 0.23,111.02 31.03,111.22 35.63,113.22 49.58,113.31 49.69,99.71 35.94,99.65 35.86,103.09 0.23,104.02
/pcb_potencia/Gate_Driver/GD_HS_1/+15V on In3.Cu: 156.62,86.36 158.95,98.76 161.5,110.66 169.92,113.56 185.02,112.46 192.72,111.26 207.22,110.46 207.42,95.66 172.02,95.36 170.42,94.16 170.52,91.66 165.12,81.86 157.62,79.96 156.02,82.06
/pcb_potencia/Gate_Driver/GD_HS_2/+15V on In3.Cu: 114.54,110.99 141.81,110.6 159.51,110.5 159.51,99.4 154.11,92.7 128.81,87.9 117.61,80.9 111.91,79.2 108.75,89.67 112.18,104.43
/pcb_potencia/Gate_Driver/GD_HS_3/+15V on In3.Cu: 76.74,113.98 99.54,112.08 104.54,108.78 105.04,94.88 93.92,88.56 86.24,83.88 68.84,80.28 62.54,81.78 59.74,100.08 60.54,113.65
/pcb_potencia/Gate_Driver/GD_LS_1/+15V on In3.Cu: 169.42,61.59 184.52,65.69 202.02,62.09 203.9,73.09 205.02,88.39 206.62,90.79 223.52,91.29 223.82,34.49 188.12,34.79 182.92,38.59 163.22,38.83 161.12,44.79 164.22,47.49
/pcb_potencia/Gate_Driver/GD_LS_2/+15V on In3.Cu: 150.41,36.36 160.11,42.16 166.31,53.16 165.01,64.86 135.61,65.46 124.71,62.06 122.31,51.26 117.81,43.56 117.21,39.36 136.51,37.06
/pcb_potencia/Gate_Driver/GD_LS_3/+15V on In3.Cu: 70.42,39.06 87.02,37.96 103.72,36.04 112.42,37.56 118.22,44.76 123.82,54.76 120.82,62.26 101.12,62.16 85.72,63.26 75.32,55.66 71.22,48.26
